# KiCad board mechanical-keyboard.kicad_pcb (continued)
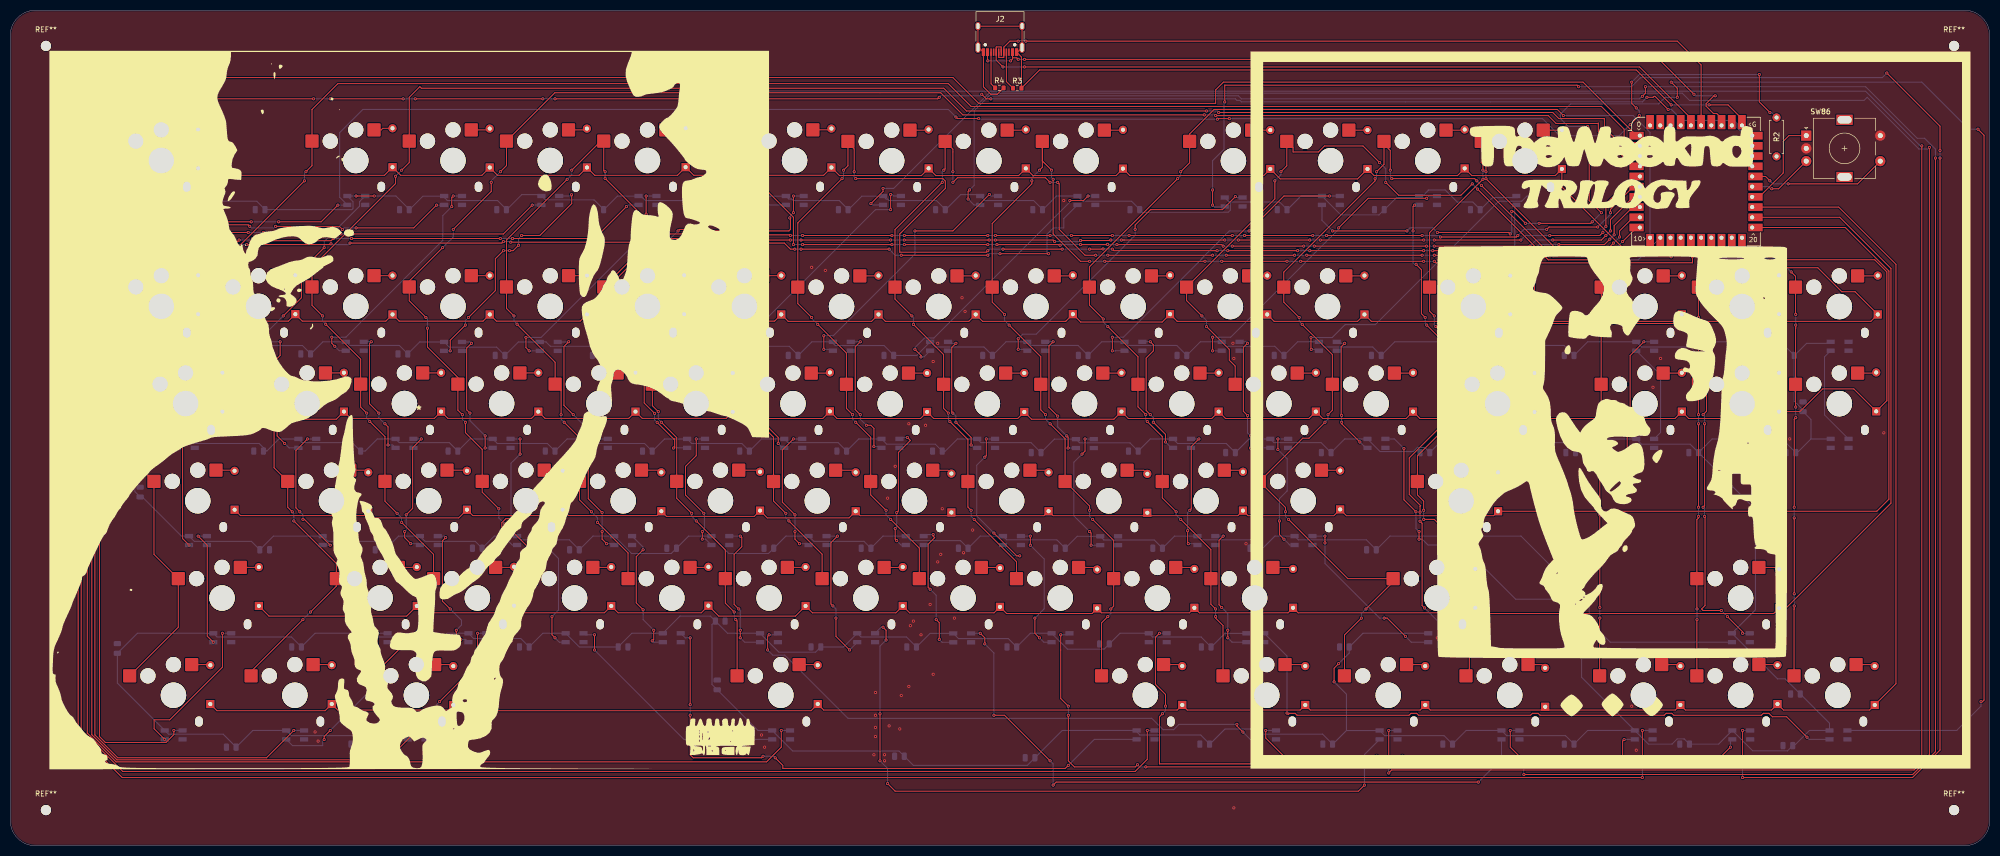
[diagram p0: board, top side]
## Placement (name value [footprint] x y rotation side) (continued)
SW66  SW_Push  [Kailh-PG1353-Hotswap-1U]  258.06 105.66 0 top
SW67  SW_Push  [Kailh-PG1353-Hotswap-1U]  267.58 86.62 0 top
SW68  SW_Push  [Kailh-PG1353-Hotswap-1U]  253.3 67.58 0 top
SW69  SW_Push  [Kailh-PG1353-Hotswap-2.75U]  279.49 48.54 0 top
SW70  SW_Push  [Kailh-PG1353-Hotswap-1.25U]  269.96 29.5 0 top
SW71  SW_Push  [Kailh-PG1353-Hotswap-1U]  296.74 134.22 0 top
SW72  SW_Push  [Kailh-PG1353-Hotswap-2U]  286.63 105.66 0 top
SW73  SW_Push  [Kailh-PG1353-Hotswap-1.5U]  291.38 86.62 0 top
SW74  SW_Push  [Kailh-PG1353-Hotswap-2.25U]  284.25 67.58 0 top
SW75  SW_Push  [Kailh-PG1353-Hotswap-1.25U]  293.76 29.5 0 top
SW76  SW_Push  [Kailh-PG1353-Hotswap-1U]  320.25 105.66 0 top
SW77  SW_Push  [Kailh-PG1353-Hotswap-1U]  320.24 86.62 0 top
SW78  SW_Push  [Kailh-PG1353-Hotswap-1U]  319.95 29.5 0 top
SW79  SW_Push  [Kailh-PG1353-Hotswap-1U]  339.29 105.66 0 top
SW80  SW_Push  [Kailh-PG1353-Hotswap-1U]  339.29 86.62 0 top
SW81  SW_Push  [Kailh-PG1353-Hotswap-1U]  338.99 48.54 0 top
SW82  SW_Push  [Kailh-PG1353-Hotswap-1U]  338.99 29.5 0 top
SW83  SW_Push  [Kailh-PG1353-Hotswap-1U]  358.32 105.66 0 top
SW84  SW_Push  [Kailh-PG1353-Hotswap-1U]  358.33 86.62 0 top
SW85  SW_Push  [Kailh-PG1353-Hotswap-1U]  358.03 29.5 0 top
SW86  RotaryEncoder_Switch  [RotaryEncoder_Alps_EC11E-Switch_Vertical_H20mm]  359.35 136.65 0 top
U2  RP2350_Stamp  [RP2xxx_Stamp_THT]  330.25 130.15 0 top

## Library data of the parts
C1-C12 C15-C26 C29-C40 C49-C54 C57-C62 C65-C70 C73-C78 C81-C104 = -: Description: Unpolarized capacitor
D2-D4 D6 D8-D10 D12 D14-D16 D18 D20-D22 D24-D27 D29-D31 D33 D35-D37 D39-D42 D45-D47 D50-D52 D56-D58 D62-D67 D71-D73 D76 D77 D79 D80 D83 D84 = -: Description: Diode; Sim.Pins: 1=K 2=A
D5 D7 D11 D13 D17 D19 D23 D28 D32 D34 D38 D43 D44 D48 D49 D53-D55 D59-D61 D68-D70 D74 D75 D78 D81 D82 D85 = -: Description: Diode; Sim.Pins: 1=K 2=A; ki_fp_filters: TO-???* *_Diode_* *SingleDiode* D_*
J2 = -: Datasheet: https://www.usb.org/sites/default/files/documents/usb_type-c.zip; Description: USB 2.0-only 16P Type-C Receptacle connector; ki_fp_filters: USB*C*Receptacle*
LED1-LED84 = -: Datasheet: https://cdn-shop.adafruit.com/product-files/2686/SK6812MINI_REV.01-1-2.pdf; Description: RGB LED with integrated controller; ki_fp_filters: LED*SK6812MINI*PLCC*3.5x3.5mm*P1.75mm*
R1-R4 = -: Description: Resistor; ki_fp_filters: R_*
SW2-SW85 = -: Description: Push button switch, generic, two pins
SW86 = -: Description: Rotary encoder, dual channel, incremental quadrate outputs, with switch; ki_fp_filters: RotaryEncoder*Switch*
U2 = -: ki_fp_filters: RP2xxx_Stamp*

## Footprints (pads in the part's own frame, mm; a bottom-side part is the same pattern mirrored in y, then rotated)
C_0805_2012Metric
  rrect 1x1.45 smd: 1(-0.95,0) 2(0.95,0)
D_DO-35_SOD27_P7.62mm_Horizontal
  rect 1.6x1.6 hole 0.8: 1(0,0)
  oval 1.6x1.6 hole 0.8: 2(7.62,0)
Kailh-PG1353-Hotswap-1.5U
  round 3 hole 3 unplated: (-5,3.8) (0,6)
  round 5 hole 5.1 unplated: (0,0)
  oval 1.5x2 hole 1.5x2 unplated: (5,-5.15)
  rrect 2.6x2.6 smd: 1(-8.575,3.8) 2(3.575,6)
Kailh-PG1353-Hotswap-1.25U
  round 3 hole 3 unplated: (-5,3.8) (0,6)
  round 5 hole 5.1 unplated: (0,0)
  oval 1.5x2 hole 1.5x2 unplated: (5,-5.15)
  rrect 2.6x2.6 smd: 1(-8.575,3.8) 2(3.575,6)
Kailh-PG1353-Hotswap-1.75U
  round 3 hole 3 unplated: (-5,3.8) (0,6)
  round 5 hole 5.1 unplated: (0,0)
  oval 1.5x2 hole 1.5x2 unplated: (5,-5.15)
  rrect 2.6x2.6 smd: 1(-8.575,3.8) 2(3.575,6)
Kailh-PG1353-Hotswap-1U
  round 3 hole 3 unplated: (-5,3.8) (0,6)
  round 5 hole 5.1 unplated: (0,0)
  oval 1.5x2 hole 1.5x2 unplated: (5,-5.15)
  rrect 2.6x2.6 smd: 1(-8.575,3.8) 2(3.575,6)
Kailh-PG1353-Hotswap-2.25U
  round 3 hole 3 unplated: (-5,3.8) (0,6)
  round 5 hole 5.1 unplated: (0,0)
  oval 1.5x2 hole 1.5x2 unplated: (5,-5.15)
  rrect 2.6x2.6 smd: 1(-8.575,3.8) 2(3.575,6)
Kailh-PG1353-Hotswap-2.75U
  round 3 hole 3 unplated: (-5,3.8) (0,6)
  round 5 hole 5.1 unplated: (0,0)
  oval 1.5x2 hole 1.5x2 unplated: (5,-5.15)
  rrect 2.6x2.6 smd: 1(-8.575,3.8) 2(3.575,6)
Kailh-PG1353-Hotswap-2U
  round 3 hole 3 unplated: (-5,3.8) (0,6)
  round 5 hole 5.1 unplated: (0,0)
  oval 1.5x2 hole 1.5x2 unplated: (5,-5.15)
  rrect 2.6x2.6 smd: 1(-8.575,3.8) 2(3.575,6)
Kailh-PG1353-Hotswap-6.25U
  round 3 hole 3 unplated: (-5,3.8) (0,6)
  round 5 hole 5.1 unplated: (0,0)
  oval 1.5x2 hole 1.5x2 unplated: (5,-5.15)
  rrect 2.6x2.6 smd: 1(-8.575,3.8) 2(3.575,6)
LED_SK6812MINI_PLCC4_3.5x3.5mm_P1.75mm
  rect 1.6x0.85 smd: 1(-1.75,0.875) 2(-1.75,-0.875) 3(1.75,-0.875) 4(1.75,0.875)
MountingHole_2mm
  round 2 hole 2 unplated: (0,0)
R_0603_1608Metric
  rrect 0.8x0.95 smd: 1(-0.825,0) 2(0.825,0)
R_0805_2012Metric
  rrect 1.025x1.4 smd: 1(-0.912,0) 2(0.912,0)
R_Axial_DIN0207_L6.3mm_D2.5mm_P7.62mm_Horizontal
  round 1.6 hole 0.8: 1(0,0)
  oval 1.6x1.6 hole 0.8: 2(7.62,0)
RotaryEncoder_Alps_EC11E-Switch_Vertical_H20mm
  rect 2x2 hole 1: A(-7.5,2.5)
  round 2 hole 1: B(-7.5,-2.5) C(-7.5,0) S1(7,-2.5) S2(7,2.5)
  rect 3.2x2 hole 2.8x1.5: MP(0,5.6) MP(0,-5.6)
RP2xxx_Stamp_THT
  rect 2.8x1.5 smd: 1(-11.65,9) 2(-11.65,7) 3(-11.65,5) 4(-11.65,3) 5(-11.65,1) 6(-11.65,-1) 7(-11.65,-3) 8(-11.65,-5) 9(-11.65,-7) 10(-11.65,-9) 21(11.65,-9) 22(11.65,-7) 23(11.65,-5) 24(11.65,-3) 25(11.65,-1) 26(11.65,1) 27(11.65,3) 28(11.65,5) 29(11.65,7) 30(11.65,9)
  round 1.35 hole 0.8: 1(-11,9)
  oval 1.35x1.35 hole 0.8: 2(-11,7) 3(-11,5) 4(-11,3) 5(-11,1) 6(-11,-1) 7(-11,-3) 8(-11,-5) 9(-11,-7) 10(-11,-9) 11(-9,-11) 12(-7,-11) 13(-5,-11) 14(-3,-11) 15(-1,-11) 16(1,-11) 17(3,-11) 18(5,-11) 19(7,-11) 20(9,-11) 21(11,-9) 22(11,-7) 23(11,-5) 24(11,-3) 25(11,-1) 26(11,1) 27(11,3) 28(11,5) 29(11,7) 30(11,9) 31(9,11) 32(7,11) 33(5,11) 34(3,11) 35(1,11) 36(-1,11) 37(-3,11) 38(-5,11) 39(-7,11) 40(-9,11)
  rect 1.5x2.8 smd: 11(-9,-11.65) 12(-7,-11.65) 13(-5,-11.65) 14(-3,-11.65) 15(-1,-11.65) 16(1,-11.65) 17(3,-11.65) 18(5,-11.65) 19(7,-11.65) 20(9,-11.65) 31(9,11.65) 32(7,11.65) 33(5,11.65) 34(3,11.65) 35(1,11.65) 36(-1,11.65) 37(-3,11.65) 38(-5,11.65) 39(-7,11.65) 40(-9,11.65)
USB_C_Receptacle_HRO_TYPE-C-31-M-12
  round 0.65 hole 0.65 unplated: (-2.89,2.6) (2.89,2.6)
  rect 0.6x1.45 smd: A1(-3.25,4.045) A4(-2.45,4.045) A9(2.45,4.045) A12(3.25,4.045) B1(3.25,4.045) B4(2.45,4.045) B9(-2.45,4.045) B12(-3.25,4.045)
  rect 0.3x1.45 smd: A5(-1.25,4.045) A6(-0.25,4.045) A7(0.25,4.045) A8(1.25,4.045) B5(1.75,4.045) B6(0.75,4.045) B7(-0.75,4.045) B8(-1.75,4.045)
  oval 1x2.1 hole 0.6x1.7: S1(-4.32,3.13) S1(4.32,3.13)
  oval 1x1.6 hole 0.6x1.2: S1(-4.32,-1.05) S1(4.32,-1.05)

## Nets
+5V: C1.1 C2.1 C3.1 C4.1 C5.1 C6.1 C7.1 C8.1 C9.1 C10.1 C11.1 C12.1 C15.1 C16.1 C17.1 C18.1 C19.1 C20.1 C21.1 C22.1 C23.1 C24.1 C25.1 C26.1 C29.1 C30.1 C31.1 C32.1 C33.1 C34.1 C35.1 C36.1 C37.1 C38.1 C39.1 C40.1 C49.1 C50.1 C51.1 C52.1 C53.1 C54.1 C57.1 C58.1 C59.1 C60.1 C61.1 C62.1 C65.1 C66.1 C67.1 C68.1 C69.1 C70.1 C73.1 C74.1 C75.1 C76.1 C77.1 C78.1 C81.1 C82.1 C83.1 C84.1 C85.1 C86.1 C87.1 C88.1 C89.1 C90.1 C91.1 C92.1 C93.1 C94.1 C95.1 C96.1 C97.1 C98.1 C99.1 C100.1 C101.1 C102.1 C103.1 C104.1 LED1.4 LED2.4 LED3.4 LED4.4 LED5.4 LED6.4 LED7.4 LED8.4 LED9.4 LED10.4 LED11.4 LED12.4 LED13.4 LED14.4 LED15.4 LED16.4 LED17.4 LED18.4 LED19.4 LED20.4 LED21.4 LED22.4 LED23.4 LED24.4 LED25.4 LED26.4 LED27.4 LED28.4 LED29.4 LED30.4 LED31.4 LED32.4 LED33.4 LED34.4 LED35.4 LED36.4 LED37.4 LED38.4 LED39.4 LED40.4 LED41.4 LED42.4 LED43.4 LED44.4 LED45.4 LED46.4 LED47.4 LED48.4 LED49.4 LED50.4 LED51.4 LED52.4 LED53.4 LED54.4 LED55.4 LED56.4 LED57.4 LED58.4 LED59.4 LED60.4 LED61.4 LED62.4 LED63.4 LED64.4 LED65.4 LED66.4 LED67.4 LED68.4 LED69.4 LED70.4 LED71.4 LED72.4 LED73.4 LED74.4 LED75.4 LED76.4 LED77.4 LED78.4 LED79.4 LED80.4 LED81.4 LED82.4 LED83.4 LED84.4
GND: C1.2 C2.2 C3.2 C4.2 C5.2 C6.2 C7.2 C8.2 C9.2 C10.2 C11.2 C12.2 C15.2 C16.2 C17.2 C18.2 C19.2 C20.2 C21.2 C22.2 C23.2 C24.2 C25.2 C26.2 C29.2 C30.2 C31.2 C32.2 C33.2 C34.2 C35.2 C36.2 C37.2 C38.2 C39.2 C40.2 C49.2 C50.2 C51.2 C52.2 C53.2 C54.2 C57.2 C58.2 C59.2 C60.2 C61.2 C62.2 C65.2 C66.2 C67.2 C68.2 C69.2 C70.2 C73.2 C74.2 C75.2 C76.2 C77.2 C78.2 C81.2 C82.2 C83.2 C84.2 C85.2 C86.2 C87.2 C88.2 C89.2 C90.2 C91.2 C92.2 C93.2 C94.2 C95.2 C96.2 C97.2 C98.2 C99.2 C100.2 C101.2 C102.2 C103.2 C104.2 LED1.2 LED2.2 LED3.2 LED4.2 LED5.2 LED6.2 LED7.2 LED8.2 LED9.2 LED10.2 LED11.2 LED12.2 LED13.2 LED14.2 LED15.2 LED16.2 LED17.2 LED18.2 LED19.2 LED20.2 LED21.2 LED22.2 LED23.2 LED24.2 LED25.2 LED26.2 LED27.2 LED28.2 LED29.2 LED30.2 LED31.2 LED32.2 LED33.2 LED34.2 LED35.2 LED36.2 LED37.2 LED38.2 LED39.2 LED40.2 LED41.2 LED42.2 LED43.2 LED44.2 LED45.2 LED46.2 LED47.2 LED48.2 LED49.2 LED50.2 LED51.2 LED52.2 LED53.2 LED54.2 LED55.2 LED56.2 LED57.2 LED58.2 LED59.2 LED60.2 LED61.2 LED62.2 LED63.2 LED64.2 LED65.2 LED66.2 LED67.2 LED68.2 LED69.2 LED70.2 LED71.2 LED72.2 LED73.2 LED74.2 LED75.2 LED76.2 LED77.2 LED78.2 LED79.2 LED80.2 LED81.2 LED82.2 LED83.2 LED84.2 SW86.C SW86.S2
CC1: J2.A1 J2.A12 J2.B1 J2.B12 J2.S1 R3.2 R4.2 U2.31
Col 0: SW2.1 SW3.1 SW4.1 SW5.1 SW6.1 SW7.1 U2.1
Col 1: SW8.1 SW9.1 SW10.1 SW11.1 SW12.1 SW13.1 U2.2
Col 2: SW14.1 SW15.1 SW16.1 SW17.1 SW18.1 SW19.1 U2.3
Col 3: SW20.1 SW21.1 SW22.1 SW23.1 SW24.1 U2.4
Col 4: SW25.1 SW26.1 SW27.1 SW28.1 SW29.1 U2.5
Col 5: SW30.1 SW31.1 SW32.1 SW33.1 SW34.1 U2.6
Col 6: SW35.1 SW36.1 SW37.1 SW38.1 SW39.1 U2.7
Col 7: SW40.1 SW41.1 SW42.1 SW43.1 SW44.1 U2.8
Col 8: SW45.1 SW46.1 SW47.1 SW48.1 SW49.1 U2.9
Col 9: SW50.1 SW51.1 SW52.1 SW53.1 SW54.1 SW55.1 U2.10
Col 10: SW56.1 SW57.1 SW58.1 SW59.1 SW60.1 SW61.1 U2.11
Col 11: SW62.1 SW63.1 SW64.1 U2.12
Col 12: SW65.1 SW66.1 SW67.1 SW68.1 SW69.1 SW70.1 U2.13
Col 13: SW71.1 SW72.1 SW73.1 SW74.1 SW75.1 U2.14
Col 14: SW76.1 SW77.1 SW78.1 U2.15
Col 15: SW79.1 SW80.1 SW81.1 SW82.1 U2.16
Col 16: SW83.1 SW84.1 SW85.1 U2.17
LED 1: R2.1
ROT A: SW86.A U2.24
ROT B: SW86.B U2.25
Row 0: D2.1 D8.1 D14.1 D20.1 D25.1 D35.1 D40.1 D45.1 D50.1 D56.1 D62.1 D65.1 D71.1 U2.18
Row 1: D3.1 D9.1 D15.1 D21.1 D26.1 D30.1 D36.1 D41.1 D46.1 D51.1 D57.1 D63.1 D66.1 D72.1 D76.1 D79.1 D83.1 U2.19
Row 2: D4.1 D10.1 D16.1 D22.1 D27.1 D31.1 D37.1 D42.1 D47.1 D52.1 D58.1 D64.1 D67.1 D73.1 D77.1 D80.1 D84.1 U2.20
Row 3: D5.1 D11.1 D17.1 D23.1 D28.1 D32.1 D38.1 D43.1 D48.1 D53.1 D59.1 D68.1 D74.1 U2.21
Row 4: D6.1 D12.1 D18.1 D24.1 D29.1 D33.1 D39.1 D44.1 D49.1 D54.1 D60.1 D69.1 D81.1 U2.22
Row 5: D7.1 D13.1 D19.1 D34.1 D55.1 D61.1 D70.1 D75.1 D78.1 D82.1 D85.1 U2.23
SW A: SW86.S1 U2.26
Net-(D2-A): D2.2 SW2.2
Net-(D3-A): D3.2 SW3.2
Net-(D4-A): D4.2 SW4.2
Net-(D5-A): D5.2 SW5.2
Net-(D6-A): D6.2 SW6.2
Net-(D7-A): D7.2 SW7.2
Net-(D8-A): D8.2 SW8.2
Net-(D9-A): D9.2 SW9.2
Net-(D10-A): D10.2 SW10.2
Net-(D11-A): D11.2 SW11.2
Net-(D12-A): D12.2 SW12.2
Net-(D13-A): D13.2 SW13.2
Net-(D14-A): D14.2 SW14.2
Net-(D15-A): D15.2 SW15.2
Net-(D16-A): D16.2 SW16.2
Net-(D17-A): D17.2 SW17.2
Net-(D18-A): D18.2 SW18.2
Net-(D19-A): D19.2 SW19.2
Net-(D20-A): D20.2 SW20.2
Net-(D21-A): D21.2 SW21.2
Net-(D22-A): D22.2 SW22.2
Net-(D23-A): D23.2 SW23.2
Net-(D24-A): D24.2 SW24.2
Net-(D25-A): D25.2 SW25.2
Net-(D26-A): D26.2 SW26.2
Net-(D27-A): D27.2 SW27.2
Net-(D28-A): D28.2 SW28.2
Net-(D29-A): D29.2 SW29.2
Net-(D30-A): D30.2 SW30.2
Net-(D31-A): D31.2 SW31.2
Net-(D32-A): D32.2 SW32.2
Net-(D33-A): D33.2 SW33.2
Net-(D34-A): D34.2 SW34.2
Net-(D35-A): D35.2 SW35.2
Net-(D36-A): D36.2 SW36.2
Net-(D37-A): D37.2 SW37.2
Net-(D38-A): D38.2 SW38.2
Net-(D39-A): D39.2 SW39.2
Net-(D40-A): D40.2 SW40.2
Net-(D41-A): D41.2 SW41.2
Net-(D42-A): D42.2 SW42.2
Net-(D43-A): D43.2 SW43.2
Net-(D44-A): D44.2 SW44.2
Net-(D45-A): D45.2 SW45.2
Net-(D46-A): D46.2 SW46.2
Net-(D47-A): D47.2 SW47.2
Net-(D48-A): D48.2 SW48.2
Net-(D49-A): D49.2 SW49.2
Net-(D50-A): D50.2 SW50.2
Net-(D51-A): D51.2 SW51.2
Net-(D52-A): D52.2 SW52.2
Net-(D53-A): D53.2 SW53.2
Net-(D54-A): D54.2 SW54.2
Net-(D55-A): D55.2 SW55.2
Net-(D56-A): D56.2 SW56.2
Net-(D57-A): D57.2 SW57.2
Net-(D58-A): D58.2 SW58.2
Net-(D59-A): D59.2 SW59.2
Net-(D60-A): D60.2 SW60.2
Net-(D61-A): D61.2 SW61.2
Net-(D62-A): D62.2 SW62.2
Net-(D63-A): D63.2 SW63.2
Net-(D64-A): D64.2 SW64.2
Net-(D65-A): D65.2 SW65.2
Net-(D66-A): D66.2 SW66.2
Net-(D67-A): D67.2 SW67.2
Net-(D68-A): D68.2 SW68.2
Net-(D69-A): D69.2 SW69.2
Net-(D70-A): D70.2 SW70.2
Net-(D71-A): D71.2 SW71.2
Net-(D72-A): D72.2 SW72.2
Net-(D73-A): D73.2 SW73.2
Net-(D74-A): D74.2 SW74.2
Net-(D75-A): D75.2 SW75.2
Net-(D76-A): D76.2 SW76.2
Net-(D77-A): D77.2 SW77.2
Net-(D78-A): D78.2 SW78.2
Net-(D79-A): D79.2 SW79.2
Net-(D80-A): D80.2 SW80.2
Net-(D81-A): D81.2 SW81.2
Net-(D82-A): D82.2 SW82.2
Net-(D83-A): D83.2 SW83.2
Net-(D84-A): D84.2 SW84.2
Net-(D85-A): D85.2 SW85.2
Net-(J2-CC1): J2.A5 R3.1
Net-(J2-CC2): J2.B5 R4.1
Net-(LED1-DIN): LED1.3 LED74.1 R1.1
Net-(LED1-DOUT): LED1.1 LED14.3
Net-(LED2-DIN): LED2.3 LED75.1 R2.2
Net-(LED3-DIN): LED3.3 LED76.1
Net-(LED4-DIN): LED4.3 LED77.1
Net-(LED5-DIN): LED5.3 LED78.1
Net-(LED6-DIN): LED6.3 LED79.1
Net-(LED7-DIN): LED7.3 LED80.1
Net-(LED8-DIN): LED8.3 LED81.1
Net-(LED10-DIN): LED10.3 LED83.1
Net-(LED10-DOUT): LED10.1 LED23.3
Net-(LED11-DIN): LED11.3 LED84.1
Net-(LED11-DOUT): LED11.1 LED24.3
Net-(LED12-DIN): LED12.3 LED72.1
Net-(LED12-DOUT): LED12.1 LED25.3
Net-(LED13-DIN): LED13.3 LED73.1
Net-(LED13-DOUT): LED13.1 LED26.3
Net-(LED14-DOUT): LED14.1 LED31.3
Net-(LED15-DIN): LED2.1 LED15.3
Net-(LED15-DOUT): LED15.1 LED32.3
Net-(LED16-DIN): LED3.1 LED16.3
Net-(LED16-DOUT): LED16.1 LED33.3
Net-(LED17-DIN): LED4.1 LED17.3
Net-(LED17-DOUT): LED17.1 LED34.3
Net-(LED18-DIN): LED5.1 LED18.3
Net-(LED18-DOUT): LED18.1 LED35.3
Net-(LED19-DIN): LED6.1 LED19.3
Net-(LED19-DOUT): LED19.1 LED36.3
Net-(LED20-DIN): LED7.1 LED20.3
Net-(LED20-DOUT): LED20.1 LED37.3
Net-(LED21-DIN): LED8.1 LED21.3
Net-(LED21-DOUT): LED21.1 LED38.3
Net-(LED22-DIN): LED9.1 LED22.3
Net-(LED22-DOUT): LED22.1 LED39.3
Net-(LED23-DOUT): LED23.1 LED40.3
Net-(LED24-DOUT): LED24.1 LED41.3
Net-(LED25-DOUT): LED25.1 LED42.3
Net-(LED26-DOUT): LED26.1 LED43.3
Net-(LED27-DIN): LED27.3 LED44.1
Net-(LED27-DOUT): LED27.1 LED44.3
Net-(LED28-DIN): LED28.3 LED45.1
Net-(LED28-DOUT): LED28.1 LED45.3
Net-(LED29-DIN): LED29.3 LED46.1
Net-(LED29-DOUT): LED29.1 LED46.3
Net-(LED30-DIN): LED30.3 LED47.1
Net-(LED31-DOUT): LED31.1 LED48.3
Net-(LED32-DOUT): LED32.1 LED49.3
Net-(LED33-DOUT): LED33.1 LED50.3
Net-(LED34-DOUT): LED34.1 LED51.3
Net-(LED35-DOUT): LED35.1 LED52.3
Net-(LED36-DOUT): LED36.1 LED53.3
Net-(LED37-DOUT): LED37.1 LED54.3
Net-(LED38-DOUT): LED38.1 LED55.3
Net-(LED39-DOUT): LED39.1 LED56.3
Net-(LED40-DOUT): LED40.1 LED57.3
Net-(LED41-DOUT): LED41.1 LED58.3
Net-(LED42-DOUT): LED42.1 LED59.3
Net-(LED43-DOUT): LED43.1 LED60.3
Net-(LED48-DOUT): LED48.1 LED61.3
Net-(LED49-DOUT): LED49.1 LED62.3
Net-(LED50-DOUT): LED50.1 LED63.3
Net-(LED51-DOUT): LED51.1 LED64.3
Net-(LED52-DOUT): LED52.1 LED65.3
Net-(LED53-DOUT): LED53.1 LED66.3
Net-(LED54-DOUT): LED54.1 LED67.3
Net-(LED55-DOUT): LED55.1 LED68.3
Net-(LED56-DOUT): LED56.1 LED69.3
Net-(LED58-DOUT): LED58.1 LED71.3
Net-(LED59-DOUT): LED59.1 LED72.3
Net-(LED60-DOUT): LED60.1 LED73.3
Net-(LED61-DOUT): LED61.1 LED74.3
Net-(LED62-DOUT): LED62.1 LED75.3
Net-(LED63-DOUT): LED63.1 LED76.3
Net-(LED64-DOUT): LED64.1 LED77.3
Net-(LED65-DOUT): LED65.1 LED78.3
Net-(LED66-DOUT): LED66.1 LED79.3
Net-(LED67-DOUT): LED67.1 LED80.3
Net-(LED68-DOUT): LED68.1 LED81.3
Net-(LED69-DOUT): LED69.1 LED82.3
Net-(LED70-DOUT): LED70.1 LED83.3
Net-(LED71-DOUT): LED71.1 LED84.3
Net-(LED82-DOUT): LED9.3 LED82.1
Net-(U2-5V): J2.A4 J2.A9 J2.B4 J2.B9 U2.33
Net-(U2-GPIO29): R1.2 U2.30
Net-(U2-USB_D+): J2.A6 J2.B6 U2.36
Net-(U2-USB_D-): J2.A7 J2.B7 U2.35

Pads without a net: J2 A8 B8; LED30 1; LED47 3; LED57 1; LED70 3; SW86 MP; U2 27 28 29 32 34 37 38 39 40

## Via types
v1: diameter 0.6, hole 0.3, Top to Bottom, 772 vias

## Routing (per net, layer and track width the routed paths; a pad name or vN(x,y) marks a point on that pad's centre or on a via; arc(x,y) is an arc through that point)
+5V: length 2118.3
  Top w0.2: v1(259.34,32.12) 259.34,34.8 v1(260.24,35.69) ; v1(71.32,127.32) v1(67.75,127.32)
  Bottom w0.2: 132.94,79.7 128.19,79.7 125.83,77.34 ; LED32.4 57.18,78.99 66.99,78.99 C15.1 69.54,77.34 71.92,79.72 LED33.4 76.22,78.99 86.03,78.99 C18.1 90.07,79.72 LED34.4 95.42,78.83 105.24,78.83 C4.1 109.11,79.72 LED35.4 114.46,78.83 124.28,78.83 C3.1 ; 141.87,98.74 138,98.74 135.34,96.08 133.56,97.87 124,97.87 123.12,98.74 118.67,98.74 116.01,96.08 114.22,97.87 105.84,97.87 104.96,98.74 104.09,98.74 ; LED82.4 307.84,33.01 C98.1 306.81,48.32 294.91,48.32 LED60.4 270.29,60.68 C12.1 265.67,59.95 252.34,59.95 LED59.4 247.74,60.68 245.36,58.3 C25.1 243.11,59.95 233.3,59.95 LED58.4 228.11,60.68 C40.1 224.11,59.92 214.26,59.92 LED57.4 209.03,60.65 C10.1 205.03,59.95 195.22,59.95 LED56.4 190.03,60.68 C29.1 186.16,59.79 176.34,59.79 LED55.4 170.99,60.68 C50.1 167.25,59.66 157.43,59.66 LED54.4 151.95,60.68 C51.1 148.54,57.27 140.78,57.27 LED53.4 132.91,60.68 C67.1 129.5,57.27 121.74,57.27 LED52.4 114.16,60.68 C66.1 109.54,59.95 100.02,59.95 LED51.4 94.83,60.68 C68.1 91.09,59.66 81.27,59.66 LED50.4 76.09,60.68 C65.1 71.75,59.66 62.23,59.66 LED49.4 51.57,60.68 C39.1 47.24,59.66 36.05,59.66 LED48.4 33.54,60.68 25.87,68.36 C26.1 24.43,69.38 24.43,71.5 LED31.4 33.54,78.83 48.77,78.83 50.26,77.34 52.62,79.7 56.48,79.7 ; LED82.4 320.93,19.92 325.55,19.92 326.57,20.95 327.93,20.95 C35.1 334.68,19.92 LED83.4 341.36,18.6 348.16,18.6 C30.1 349.49,19.62 352.46,22.6 LED84.4 356.4,24.02 C81.1 347.7,32.72 346.21,32.72 LED73.4 341.89,46.24 341.89,65.9 330.75,77.04 ; LED82.4 309.03,22.6 C16.1 304.7,21.58 293.16,21.58 LED81.4 285.23,22.6 C19.1 280.9,21.58 269.29,21.58 LED80.4 ; 261.76,22.58 259.1,19.92 ; 261.76,22.58 261.76,29.7 v1(259.34,32.12) ; 261.76,22.58 268.3,22.58 ; LED5.4 123.54,127.32 124.43,126.43 133.56,126.43 135.34,124.64 137.99,127.29 151.72,127.29 ; C70.1 40.57,98.76 LED15.4 ; LED78.4 206.09,22.6 C84.1 199.25,15.76 176.94,15.76 C97.1 174.13,18.57 153.3,18.57 LED77.4 146.48,22.6 C83.1 137.48,31.6 137.48,43.35 C85.1 ; 27.92,98.74 28.65,98.02 36.01,98.02 37.95,96.08 ; 66,98.74 61.25,98.74 58.89,96.38 57.25,98.02 47.69,98.02 46.96,98.74 ; 235.3,38.96 237.97,41.62 242.13,41.62 ; LED36.4 133.5,78.83 143.32,78.83 C38.1 147.19,79.72 LED37.4 152.38,78.99 162.19,78.99 C37.1 166.23,79.72 LED38.4 171.71,78.7 181.23,78.7 C36.1 183.19,77.34 185.56,79.72 LED39.4 190.16,78.99 199.98,78.99 C22.1 204.57,79.69 208.77,79.69 209.5,78.96 219.35,78.96 C21.1 223.35,79.72 LED41.4 228.7,78.83 238.22,78.83 C20.1 242.69,79.72 LED42.4 247.58,78.99 256.8,78.99 C6.1 261.43,79.72 LED43.4 268.37,77.24 274.88,77.24 275.7,78.07 277.06,78.07 C5.1 280.76,79.72 LED44.4 290.42,78.99 304.7,78.99 C24.1 309.32,79.72 LED45.4 319.57,78.7 329.09,78.7 330.75,77.04 ; LED22.4 181.23,97.74 190.75,97.74 C91.1 195.09,98.76 LED23.4 199.98,98.03 209.2,98.03 C104.1 213.83,98.76 LED24.4 219.02,98.03 228.54,98.03 C99.1 233.16,98.76 LED25.4 238.22,97.87 247.74,97.87 C100.1 252.21,98.76 LED26.4 257.39,97.74 266.91,97.74 C101.1 271.25,98.76 LED27.4 285.66,98.03 304.4,98.03 C102.1 309.03,98.76 LED28.4 319.57,97.74 329.09,97.74 330.75,96.08 333.42,98.76 LED29.4 338.61,97.74 347.83,97.74 C7.1 349.49,87.11 351.21,85.39 C8.1 352.76,83.53 352.76,79.72 ; LED6.4 152.54,126.73 153.14,126.73 153.44,126.43 162.42,126.43 164.2,124.64 166.84,127.29 170.76,127.29 ; 276.04,127.02 271.6,127.02 269.22,124.64 ; LED11.4 260.67,123.62 268.14,123.62 C17.1 ; 122.83,127.3 118.97,127.3 116.31,124.64 114.39,126.56 104.85,126.56 103.82,127.58 100.21,127.58 97.26,124.64 95.48,126.43 85.64,126.43 84.78,127.29 80.87,127.29 78.22,124.64 75.55,127.32 v1(71.32,127.32) ; LED12.4 276.7,127.32 277.79,128.41 277.79,128.51 281.11,128.51 283.49,126.13 286.53,126.13 288.02,124.64 290.38,127.01 295.38,127.01 ; 330.75,77.04 333.42,79.72 LED46.4 338.31,78.99 347.83,78.99 C9.1 350.08,77.04 352.76,79.72 ; 356.66,98.45 351.91,98.45 349.54,96.08 ; LED79.4 245.2,21.87 257.1,21.87 C31.1 ; 244.8,22.88 237.97,22.88 235.01,19.92 233.22,21.71 221.3,21.71 220.44,22.56 ; v1(260.24,35.69) 262.32,37.77 C32.1 265,41.64 LED72.4 ; C85.1 140.53,41.64 LED66.4 150.59,37.94 157.76,37.94 C77.1 163.25,38.96 LED67.4 166.66,40.91 175.58,40.91 C61.1 180.19,41.62 LED68.4 185.77,40.6 195.53,40.6 C78.1 199.84,41.64 LED69.4 207.12,38.53 214.29,38.53 C60.1 217.4,41.64 LED70.4 223.78,40.91 233.3,40.91 C49.1 ; C85.1 137.17,45 131.21,45 LED65.4 121.78,41.64 C92.1 111.49,38.96 LED64.4 104.35,41.64 C94.1 100.02,40.62 90.79,40.62 LED63.4 85.6,41.64 C93.1 80.98,40.91 71.16,40.91 LED62.4 59.72,41.64 C62.1 55.09,40.91 40.52,40.91 LED61.4 24.91,41.64 20.99,37.72 20.99,31.88 LED74.4 31,21.87 41.71,21.87 C82.1 47.52,22.6 LED75.4 55.09,21.58 66.99,21.58 C96.1 71.32,22.6 LED76.4 ; 20.16,111.79 29.06,120.7 29.06,126.22 27.96,127.32 28.98,126.3 48.31,126.3 49.96,124.64 66.94,124.64 67.14,124.84 67.14,126.22 LED2.4 v1(67.75,127.32) ; 257,127.32 252.86,127.32 250.18,124.64 248.69,126.13 238.82,126.13 LED10.4 239.03,125.92 239.03,124.55 238.62,124.14 221.76,124.14 221.27,124.64 ; 180.25,98.74 177.59,96.08 173.13,96.08 171.19,98.02 161.63,98.02 160.91,98.74 157.05,98.74 154.39,96.08 152.6,97.87 143.02,97.87 LED20.4 142.28,98.76 ; 352.76,79.72 LED47.4 ; 221.32,124.64 219.67,126.3 210.13,126.3 209.1,127.32 204.96,127.32 202.28,124.64 200.5,126.43 190.96,126.43 189.8,127.58 186.18,127.58 183.24,124.64 181.46,126.43 172.18,126.43 171.88,126.73 171.58,126.73 LED7.4 ; LED18.4 99.55,98.73 C87.1 95.29,97.7 86.03,97.7 LED17.4 80.22,98.73 C86.1 76.22,98.03 66.47,98.03 LED16.4 ; LED14.4 20.1,106.55 C69.1
GND:
  vias: v1(59.72,22.3) v1(60.32,20.52) v1(147.19,21.71) v1(147.78,19.33) v1(157,113.34) v1(159.68,112.74) v1(169.2,17.84) v1(169.5,30.04) v1(169.5,25.58) v1(169.5,23.2) v1(169.5,21.41) v1(171.28,17.84) v1(171.28,16.65) v1(171.88,68.12) v1(172.18,23.49) v1(173.37,74.37) v1(174.26,22.9) v1(174.56,29.44) v1(176.05,82.7) v1(176.05,31.23) v1(176.34,43.13) v1(176.94,44.02) v1(178.43,41.34) v1(179.32,82.4) v1(180.21,47.29) v1(180.81,94.89) v1(180.81,33.61) v1(181.7,98.46) v1(181.7,55.62) v1(182.29,57.11) v1(182.59,66.04) v1(184.97,44.62) v1(186.46,107.39) v1(186.75,57.41) v1(187.05,104.71) v1(188.54,61.87) v1(206.39,126.43) v1(239.53,98.47) v1(239.71,95.49) v1(239.71,7.43) v1(242.09,59.19) v1(244.17,59.79) v1(279.57,40.75) v1(284.33,60.09) v1(317.65,27.36) v1(318.55,18.73) v1(321.82,89.84) v1(323.31,95.49) v1(340.86,91.32) v1(341.45,95.19) v1(348.59,79.72) v1(367.04,80.91)
CC1: length 186.4
  Top w0.2: v1(332.83,145.17) 336.53,145.17 339.25,142.45 U2.31 ; v1(325.39,145.17) 318.55,152.01 201.66,152.01 R3.2 198.1,154.56 J2.A1 197.31,155.5 J2.S1 J2.S1 J2.S1 J2.S1 189.74,156.42 J2.A12 190.65,148.71 192.11,147.25 193.35,147.25 R4.2
  Bottom w0.2: v1(332.83,145.17) v1(325.39,145.17)
Col 0: length 426.1
  Top w0.2: SW7.1 32.93,42.83 32.93,52.35 28.16,57.11 SW5.1 25.78,73.78 SW4.1 25.78,104.73 21.02,109.5 SW3.1 SW2.1 33.47,150.53 184.67,150.53 189.73,145.47 236.14,145.47 236.14,148.1 237.68,149.64 308.11,149.64 U2.1
Col 1: length 403.2
  Top w0.2: v1(43.36,102.03) 49.6,95.79 SW10.1 49.6,85.68 v1(51.09,84.19) ; v1(42.76,103.52) 40.07,106.21 SW9.1 40.07,112.73 v1(57.64,130.3) ; v1(51.69,82.4) 51.69,74.08 SW11.1 54.36,66.34 v1(55.26,65.44) ; U2.2 317.85,137.15 316.17,138.83 316.17,140.41 311.7,144.87 188.24,144.87 183.78,149.34 64.19,149.34 59.12,144.27 SW8.1 59.12,133.26 v1(57.94,132.08) ; v1(57.34,44.32) 47.19,34.16 SW13.1 ; v1(58.83,45.81) 63.89,50.86 63.89,55.33 v1(55.56,63.66)
  Bottom w0.2: v1(57.64,130.3) 57.64,131.78 v1(57.94,132.08) ; v1(51.69,82.4) 51.69,83.59 v1(51.09,84.19) ; v1(43.36,102.03) 43.36,102.93 v1(42.76,103.52) ; v1(55.26,65.44) 55.56,65.14 v1(55.56,63.66) ; v1(57.34,44.32) v1(58.83,45.81)
Col 2: length 384
  Top w0.2: v1(81.74,46.7) 82.94,47.9 82.94,57.1 v1(76.68,63.36) ; v1(61.8,102.2) 68.65,95.35 SW16.1 68.65,85.96 v1(69.84,84.78) ; v1(76.68,132.38) 78.17,133.87 SW14.1 78.17,146.66 80.25,148.74 80.55,148.44 182.89,148.44 187.35,143.98 v1(234.35,143.98) ; U2.3 317.85,135.15 312.3,140.7 312.3,142.49 312.29,142.49 303.38,142.49 302.19,143.68 v1(236.73,143.68) ; v1(75.79,65.14) 73.41,67.52 SW17.1 73.41,80.17 v1(70.43,83.15) ; v1(80.84,44.91) 80.84,43.15 SW19.1 ; v1(61.21,103.82) 59.12,105.9 SW15.1 59.12,113.39 75.49,129.76 v1(75.49,131.19)
  Bottom w0.2: v1(80.84,44.91) 81.74,45.81 v1(81.74,46.7) ; v1(236.73,143.68) 236.43,143.98 v1(234.35,143.98) ; v1(75.79,65.14) 76.68,64.25 v1(76.68,63.36) ; v1(61.8,102.2) 61.21,102.8 v1(61.21,103.82) ; v1(76.68,132.38) v1(75.49,131.19) ; v1(69.84,84.78) 69.84,83.75 v1(70.43,83.15)
Col 3: length 336.5
  Top w0.2: v1(89.18,82.99) 89.18,80.95 92.46,77.66 SW23.1 92.46,69.29 v1(95.72,66.04) ; v1(233.93,143.21) 186.63,143.21 182.29,147.55 106.69,147.55 SW20.1 97.22,133.28 v1(96.02,132.08) ; v1(81.74,101.44) 81.74,97.71 87.7,91.75 SW22.1 87.7,85.36 v1(88.58,84.48) ; v1(236.14,143.09) 236.15,143.08 301.28,143.08 301.29,143.09 302.84,141.54 311.05,141.54 311.11,141.6 311.11,139.89 317.85,133.15 U2.4 ; v1(96.91,63.06) 101.99,57.98 101.99,52.35 ; v1(86.79,120.78) 94.23,128.21 v1(94.23,130) ; v1(84.71,117.21) 78.17,110.67 SW21.1 78.17,106.79 v1(81.44,103.52)
  Bottom w0.2: v1(96.02,132.08) 94.23,130.3 v1(94.23,130) ; v1(96.91,63.06) 95.72,64.25 v1(95.72,66.04) ; v1(81.74,101.44) 81.74,103.22 v1(81.44,103.52) ; v1(88.58,84.48) 88.58,83.59 v1(89.18,82.99) ; v1(233.93,143.21) 236.01,143.21 v1(236.14,143.09) ; v1(86.79,120.78) 86.79,119.29 v1(84.71,117.21)
Col 4: length 327.8
  Top w0.2: 121.04,52.35 121.04,57.38 v1(115.06,63.36) ; v1(136.78,118.99) 137.07,118.69 v1(152.84,118.69) ; v1(109.11,130.59) 97.22,118.71 SW26.1 97.22,105.29 v1(98.69,103.82) ; v1(110,132.38) 115.7,138.08 SW25.1 116.27,132.35 v1(116.55,132.08) ; v1(312,120.18) 311.41,119.59 v1(301.59,119.59) ; v1(193,118.69) 204.31,118.69 v1(204.61,118.4) ; v1(116.55,130.78) 128.33,118.99 v1(134.1,118.99) ; v1(240.6,118.69) v1(254.59,118.69) ; v1(175.15,118.69) v1(191.77,118.69) ; v1(278.98,118.69) v1(295.94,118.69) ; U2.5 317.95,131.15 312.6,125.8 v1(312.6,121.37) ; v1(209.66,118.6) 215.52,118.6 v1(215.61,118.69) ; v1(108.51,82.99) 111.51,79.99 SW28.1 111.51,67.79 v1(113.87,65.44) ; v1(217.69,118.69) v1(237.92,118.69) ; v1(107.92,84.48) 107.92,89.29 SW27.1 106.75,94.74 v1(99.29,102.2) ; v1(256.67,118.69) v1(276.9,118.69) ; v1(154.92,118.69) v1(172.47,118.69)
  Bottom w0.2: v1(108.51,82.99) 107.92,83.59 v1(107.92,84.48) ; v1(134.1,118.99) v1(136.78,118.99) ; v1(295.94,118.69) 296.83,119.59 v1(301.59,119.59) ; v1(254.59,118.69) v1(256.67,118.69) ; v1(276.9,118.69) v1(278.98,118.69) ; v1(98.69,103.82) 98.69,102.8 v1(99.29,102.2) ; v1(312.6,121.37) 312,120.78 v1(312,120.18) ; v1(215.61,118.69) 218.29,118.69 v1(217.69,118.69) ; v1(116.55,132.08) v1(116.55,130.78) ; v1(113.87,65.44) 115.06,64.25 v1(115.06,63.36) ; v1(204.61,118.4) 209.46,118.4 v1(209.66,118.6) ; v1(152.84,118.69) v1(154.92,118.69) ; v1(109.11,130.59) 110,131.49 v1(110,132.38) ; v1(172.47,118.69) v1(175.15,118.69) ; v1(237.92,118.69) v1(240.6,118.69) ; v1(191.77,118.69) v1(193,118.69)
Col 5: length 298.5
  Top w0.2: v1(191.52,119.59) v1(175.15,119.59) ; v1(134.4,119.88) v1(129.04,119.88) ; v1(127.55,82.99) 130.56,79.98 SW32.1 130.56,68.09 v1(133.5,65.15) ; v1(134.4,63.66) 140.09,57.96 140.09,47.55 v1(141.83,45.81) ; v1(127.55,118.69) 125.47,118.69 SW30.1 116.27,105.87 v1(118.33,103.82) ; v1(301,120.78) 301.46,121.24 v1(310.98,121.24) ; v1(136.42,119.71) 152.71,119.71 v1(152.84,119.59) ; v1(126.96,85.08) 125.8,86.23 SW31.1 125.8,95.03 v1(118.63,102.2) ; v1(276.6,119.59) v1(257.86,119.59) ; v1(255.18,119.59) v1(241.79,119.59) ; v1(295.34,119.59) 295.04,119.29 280.17,119.29 v1(280.17,119.29) ; SW34.1 142.39,44.05 v1(142.13,44.32) ; v1(172.73,119.59) v1(155.22,119.59) ; v1(313.49,124.05) 313.49,124.69 317.95,129.15 U2.6 ; v1(215.91,119.59) v1(207.88,119.59) ; v1(239.41,119.59) v1(219.18,119.59) ; v1(203.71,119.59) v1(193,119.59)
  Bottom w0.2: v1(155.22,119.59) v1(152.84,119.59) ; v1(301,120.78) 296.53,120.78 v1(295.34,119.59) ; v1(175.15,119.59) v1(172.73,119.59) ; v1(136.42,119.71) 134.57,119.71 v1(134.4,119.88) ; v1(276.6,119.59) 279.88,119.59 v1(280.17,119.29) ; v1(118.63,102.2) 118.33,102.5 v1(118.33,103.82) ; v1(127.55,82.99) 126.96,83.59 v1(126.96,85.08) ; v1(193,119.59) v1(191.52,119.59) ; v1(310.98,121.24) 313.49,123.75 v1(313.49,124.05) ; v1(141.83,45.81) 141.83,44.62 v1(142.13,44.32) ; v1(257.86,119.59) v1(255.18,119.59) ; v1(127.55,118.69) 128.74,119.88 v1(129.04,119.88) ; v1(219.18,119.59) v1(215.91,119.59) ; v1(133.5,65.15) 133.5,64.55 v1(134.4,63.66) ; v1(241.79,119.59) v1(239.41,119.59) ; v1(207.88,119.59) v1(203.71,119.59)
